# Altium PCB S7CAS-PLEIADES-CARTE-FILLE_P02.PcbDoc (part 2 of 3)
Units mil, origin at the board's own origin, x right, y up, seen from the top; angles counter-clockwise.
Board outline 3010 x 2715 mil, 10 copper layers (SIGNAL_TOP, GND, INNER_SIGNAL_3, GND (Plane2), 3V3, SPLIT_POWER, GND (Plane5), INNER_SIGNAL_8, GND (Plane6), SIGNAL_BOTTOM), stack 56.5 mil thick; 168 components, 138 nets, 887 pads, 482 vias.
Unrouted connection lines stored in the file: 10.
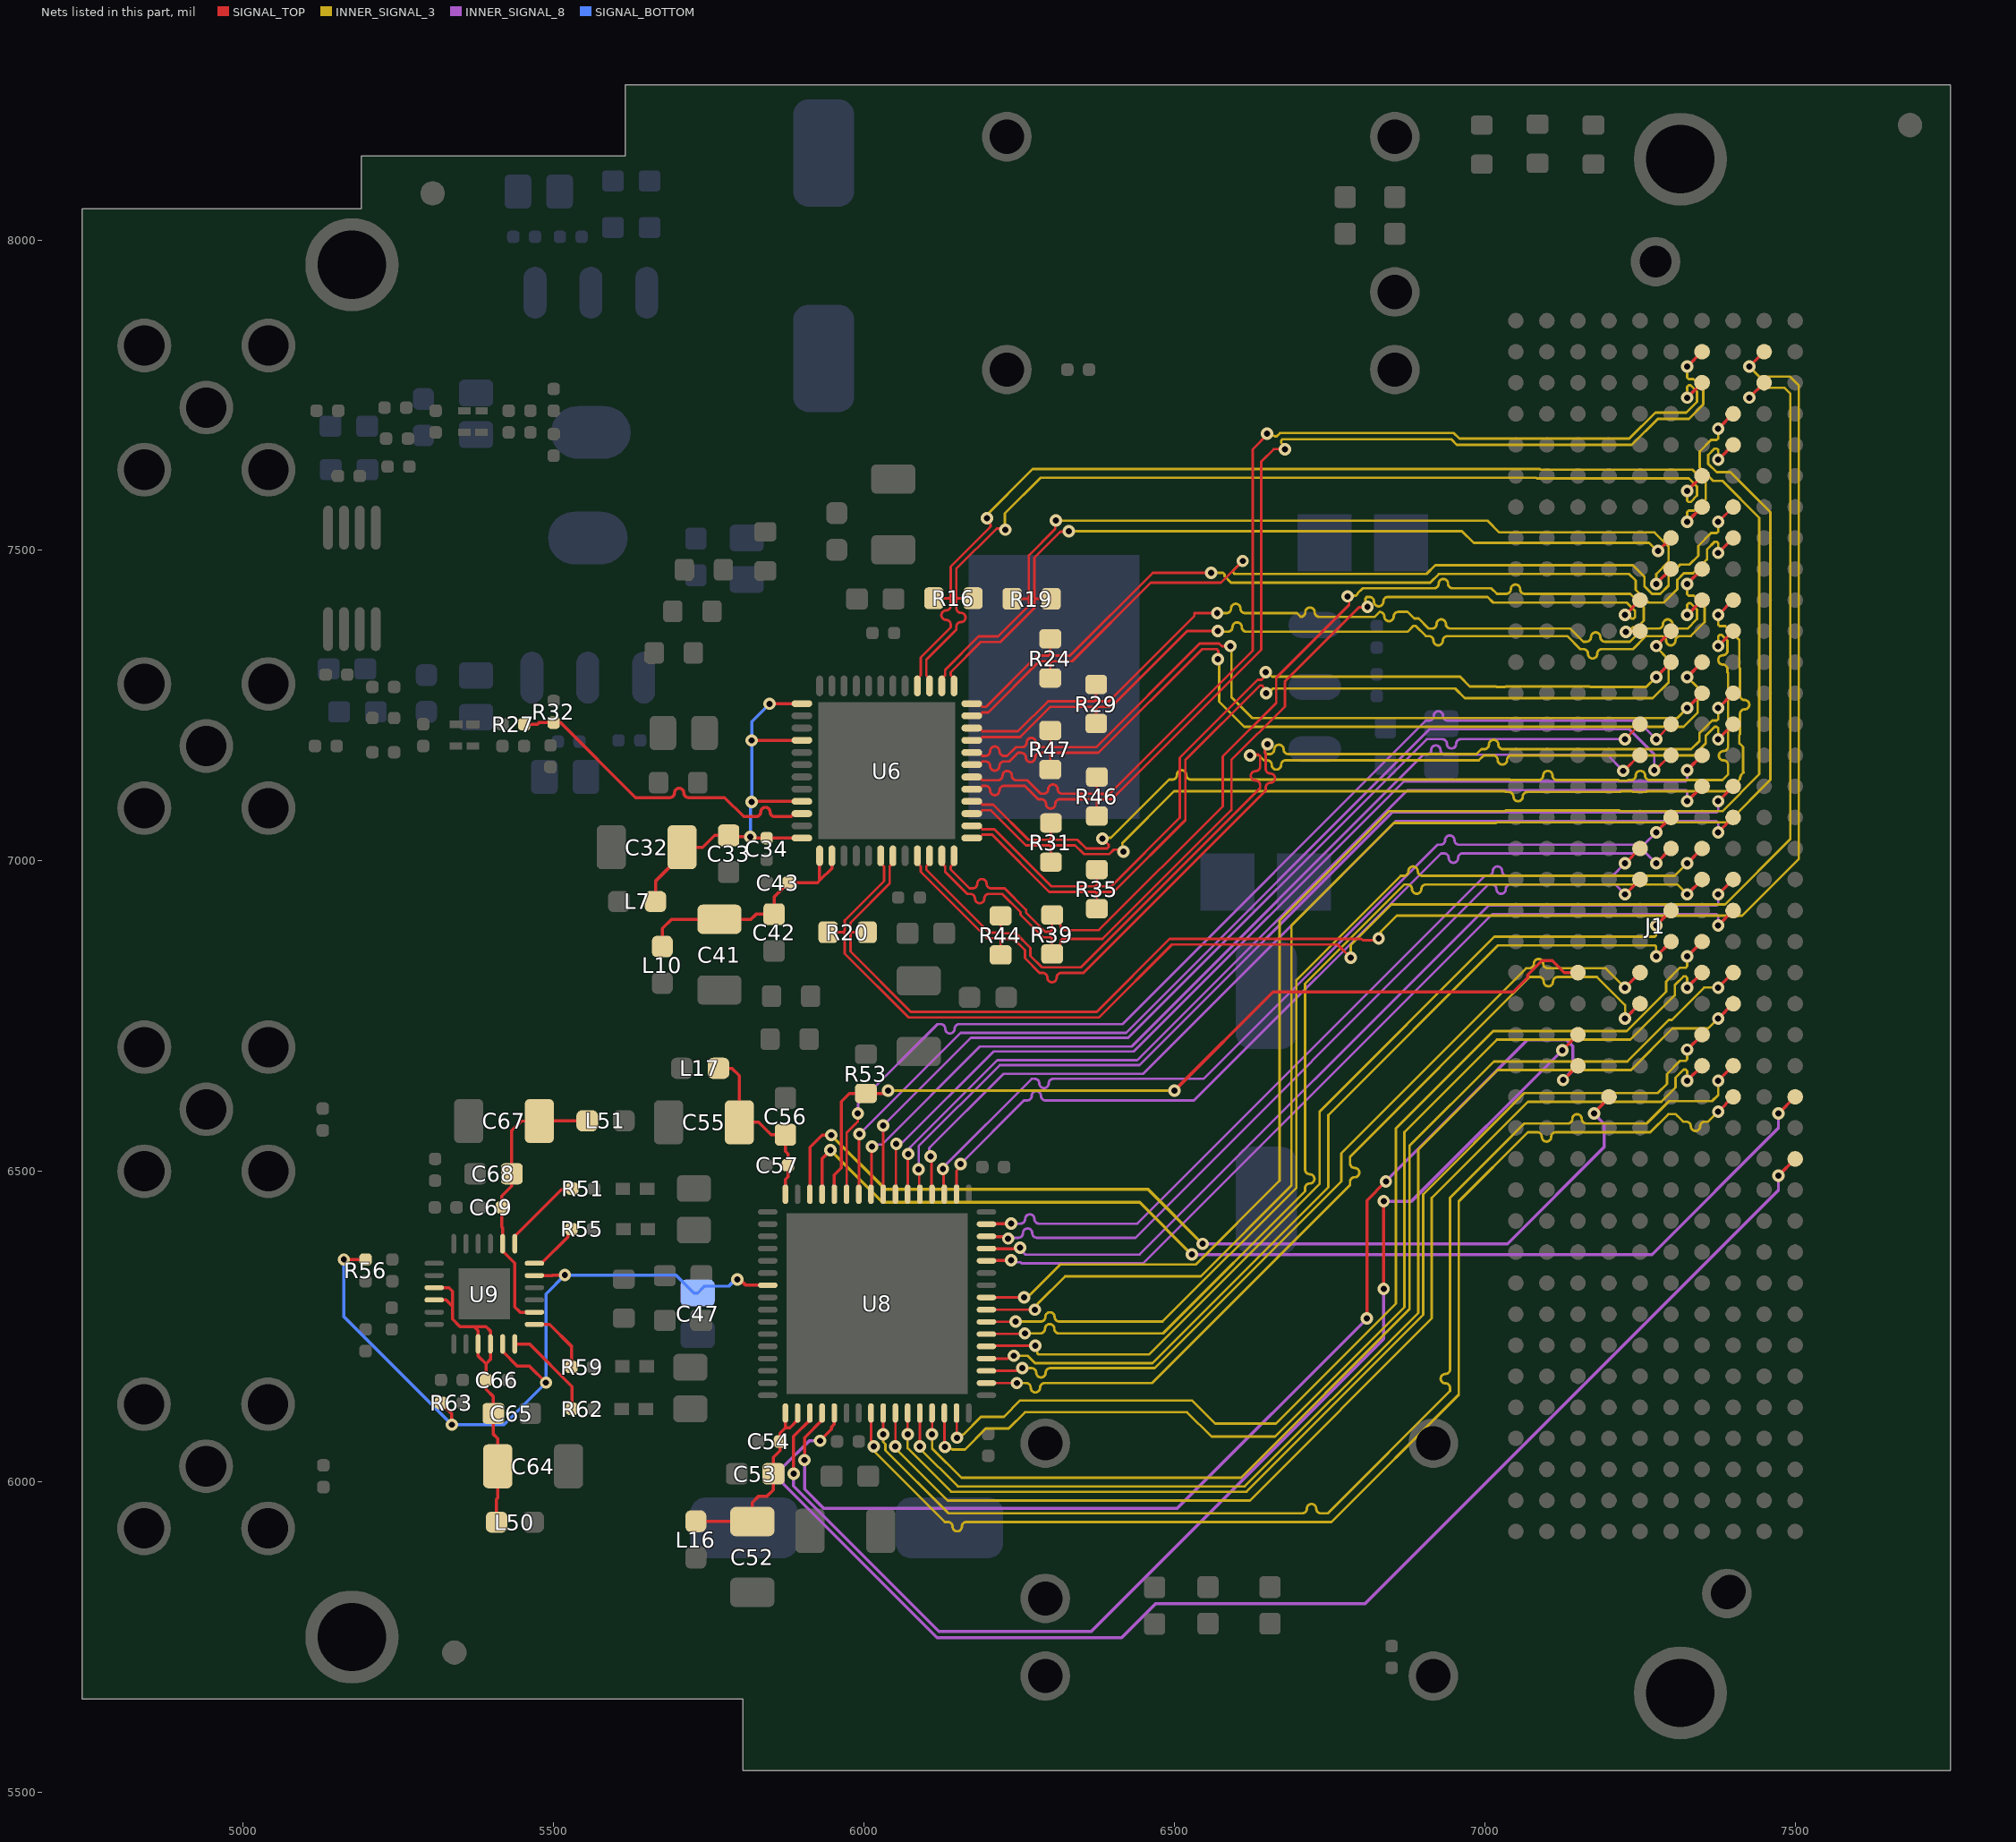
[diagram p10: the nets of this part, all layers, seen from the top]

## Via types
v1: diameter 20/20/20/20 (per signal layer), hole 10, SIGNAL_TOP to SIGNAL_BOTTOM, 426 vias
v2: diameter 19.68, hole 7.87, SIGNAL_TOP to SIGNAL_BOTTOM, 55 vias
v3: diameter 20, hole 10, SIGNAL_TOP to SIGNAL_BOTTOM, 1 vias

## Nets (pads, with @x,y where several pads share a name; then routed paths per layer and width w, separated by ;. In a path a pad name is that pad's centre, name@x,y a point inside that pad or via, vN(x,y) a via of type N, cw(c..) or ccw(c..) an arc to the next point about the centre after c; other vN are vias at no path point) (continued)
ADC_CLKOUT_N: J1.h5 U8.56 | length 2513.2
  SIGNAL_TOP w4: U8.56@6197.18,6277.16 v1(6275.1,6277.16)
  SIGNAL_TOP w5: v1(7376,7646) J1.h5@7400,7670
  INNER_SIGNAL_3 w4: v1(6275.1,6277.16) 6275.1,6281.49 6279.88,6286.27 6279.88,6287 6323.88,6331 6542.5,6331 6688.5,6477 6688.5,6896.13 6853.37,7061 7018.37,7061 7019.37,7062 7391.5,7062 7460,7130.5 7460,7561.5 7395.5,7626 7373.37,7626 7360,7639.37 7360,7653.66 7370.34,7664 7373.66,7664 7376,7661.66 v1(7376,7646)
ADC_CLKOUT_P: J1.h4 U8.57 | length 2497.1
  SIGNAL_TOP w4: U8.57@6197.18,6296.84 v1(6257.79,6296.84)
  SIGNAL_TOP w5: v1(7376,7696) J1.h4@7400,7720
  INNER_SIGNAL_3 w4: v1(6257.79,6296.84) 6262.12,6296.84 6266.9,6301.62 6267.63,6301.62 6316.01,6350 6534.63,6350 6669.5,6484.87 6669.5,6904 6845.5,7080 7032.63,7080 7033.63,7081 7217.13,7081 7218.13,7080 7382.63,7080 7442,7139.37 7442,7552.63 7382.63,7612 7367.57,7612 7346,7633.57 7346,7659.46 7364.54,7678 7373.66,7678 7376,7680.34 v1(7376,7696)
ADC_CTRL1: J1.c24 U8.35 | length 2017.1
  SIGNAL_TOP w5: v1(5886.5,6013) 5886.5,6073.37 5912.73,6099.6 U8.35@5912.73,6110.82 ; v1(6837,6310.87) v1(6837,6451.92) ; v1(7125,6695) J1.c24@7150,6720
  INNER_SIGNAL_8 w5: v1(5886.5,6013) 5886.5,5993.11 6120.61,5759 6366,5759 6837,6230 v1(6837,6310.87) ; v1(6837,6451.92) 6881.92,6451.92 v1(7125,6695)
ADC_CTRL2: J1.c25 U8.36 | length 1906.7
  SIGNAL_TOP w5: v1(5904.13,6035) 5904.13,6071.31 5932.42,6099.6 U8.36@5932.42,6110.82 ; v1(6810,6263) 6810,6453.33 6839.95,6483.28 v1@6839.95,6483.95 ; v1(7126,6647) 7126.5,6647 7149.5,6670 J1.c25@7150,6670
  INNER_SIGNAL_8 w5: v1(5904.13,6035) 5904.13,5988.21 5934.84,5957.5 6504.5,5957.5 v1(6810,6263) ; v1(6840.61,6483.95) 7068.17,6711.5 7131.83,6711.5 7141.5,6701.83 7141.5,6662.5 v1(7126,6647)
ADC_CTRL3: J1.k28 U8.37 | length 2223.7
  SIGNAL_TOP w5: v1(5929,6066) 5947.5,6084.5 5947.5,6088.04 5952.1,6092.64 U8.37@5952.1,6110.82 ; v1(7473,6493) J1.k28@7500,6520
  INNER_SIGNAL_8 w5: v1(5929,6066) 5928.7,6065.7 5911.5,6065.7 5870,6024.2 5870,5996.89 6117.89,5749 6414.98,5749 6469.98,5804 6807.33,5804 7473,6469.67 v1(7473,6493)
ADC_DA0_N: J1.h26 U8.40 | length 2022.2
  SIGNAL_TOP w4: U8.40@6011.16,6110.82 6011.16,6066.53 6015.5,6062.19 v1(6015.5,6056.84)
  SIGNAL_TOP w5: v1(7376,6596) J1.h26@7400,6620
  INNER_SIGNAL_3 w4: v1(6015.5,6056.84) 6015.5,6049.87 6130.06,5935.31 6135.06,5935.31 cw(c6135.06,5927.81) 6142.56,5927.81 ccw(c6150.06,5927.81) 6157.56,5927.81 cw(c6165.06,5927.81) 6165.06,5935.31 6752.98,5935.31 6958,6140.32 6958,6451.63 7069.37,6563 7084.37,6563 cw(c7084.37,6555.5) 7091.87,6555.5 ccw(c7099.37,6555.5) 7106.87,6555.5 cw(c7114.37,6555.5) 7114.37,6563 7266.54,6563 7295.56,6592.02 7307.66,6592.02 7310,6589.68 7310,6589.37 7319.37,6580 7324.37,6580 cw(c7324.37,6572.5) 7331.87,6572.5 ccw(c7339.37,6572.5) 7346.87,6572.5 cw(c7354.37,6572.5) 7354.37,6580 7360,6580 v1(7376,6596)
ADC_DA0_P: J1.h25 U8.41 | length 2014.9
  SIGNAL_TOP w4: v1(6030.84,6076.46) U8.41@6030.84,6110.82
  SIGNAL_TOP w5: v1(7376,6646) J1.h25@7400,6670
  INNER_SIGNAL_3 w4: v1(6030.84,6076.46) 6030.84,6064.13 6034.53,6060.44 6034.53,6050.64 6135.86,5949.31 6705.86,5949.31 ccw(c6705.86,5956.81) 6713.36,5956.81 cw(c6720.86,5956.81) 6728.36,5956.81 ccw(c6735.86,5956.81) 6735.86,5949.31 6747.18,5949.31 6944,6146.12 6944,6151.12 ccw(c6936.5,6151.12) 6936.5,6158.62 cw(c6936.5,6166.12) 6936.5,6173.62 ccw(c6936.5,6181.12) 6944,6181.12 6944,6457.43 7063.57,6577 7133.57,6577 ccw(c7133.57,6584.5) 7141.07,6584.5 cw(c7148.57,6584.5) 7156.07,6584.5 ccw(c7163.57,6584.5) 7163.57,6577 7260.74,6577 7296.74,6613 7366,6613 7376,6623 v1(7376,6646)
ADC_DA2_N: J1.g25 U8.42 | length 1828.2
  SIGNAL_TOP w4: v1(6050.53,6057.27) U8.42@6050.53,6110.82
  SIGNAL_TOP w5: v1(7326,6646) J1.g25@7350,6670
  INNER_SIGNAL_3 w4: v1(6050.53,6057.27) 6050.53,6054.21 6134.74,5970 6621.65,5970 6914.61,6262.96 6914.61,6457.24 7069.37,6612 7284.43,6612 7307.33,6634.91 7307.33,6650.99 7320.34,6664 7323.66,6664 7326,6661.66 v1(7326,6646)
ADC_DA2_P: J1.g24 U8.43 | length 1802.7
  SIGNAL_TOP w4: v1(6070.21,6076.46) U8.43@6070.21,6110.82
  SIGNAL_TOP w5: v1(7326,6696) J1.g24@7350,6720
  INNER_SIGNAL_3 w4: v1(6070.21,6076.46) 6070.21,6054.33 6140.54,5984 6615.85,5984 6900.61,6268.76 6900.61,6463.04 7063.57,6626 7278.63,6626 7293.33,6640.71 7293.33,6656.79 7314.54,6678 7323.66,6678 7326,6680.34 v1(7326,6696)
ADC_DA4_N: J1.h23 U8.44 | length 1868.7
  SIGNAL_TOP w4: v1(6089.9,6057.27) U8.44@6089.9,6110.82
  SIGNAL_TOP w5: v1(7376,6746) J1.h23@7400,6770
  INNER_SIGNAL_3 w4: v1(6089.9,6057.27) 6089.9,6053.68 6150.94,5992.63 6613.17,5992.63 6892.61,6272.07 6892.61,6535.24 7020.37,6663 7235.43,6663 7302.43,6730 7360,6730 v1(7376,6746)
ADC_DA4_P: J1.h22 U8.45 | length 1858
  SIGNAL_TOP w4: v1(6109.58,6076.46) U8.45@6109.58,6110.82
  SIGNAL_TOP w5: v1(7376,6796) J1.h22@7400,6820
  INNER_SIGNAL_3 w4: v1(6109.58,6076.46) 6109.58,6053.79 6156.74,6006.63 6607.37,6006.63 6878.61,6277.87 6878.61,6541.04 7014.57,6677 7229.63,6677 7296.63,6744 7301.37,6744 7353.37,6796 v1(7376,6796)
ADC_DA6_N: J1.g22 U8.46 | length 1826.2
  SIGNAL_TOP w4: U8.46@6129.27,6110.82 6129.63,6110.45 6129.63,6056.37 v1(6130,6056)
  SIGNAL_TOP w5: v1(7326,6796) J1.g22@7350,6820
  INNER_SIGNAL_3 w4: v1(6130,6056) 6133.06,6052.94 6141.13,6052.94 6142.07,6052 6162.5,6052 6196.23,6085.73 6233.03,6085.73 6259.31,6112 6520.45,6112 6559.73,6072.72 6662.15,6072.72 6870.61,6281.19 6870.61,6563.24 7019.37,6712 7234.43,6712 7306,6783.57 7306,6799.66 7320.34,6814 7323.66,6814 7326,6811.66 v1(7326,6796)
ADC_DA6_P: J1.g21 U8.47 | length 1785.8
  SIGNAL_TOP w4: U8.47@6148.95,6110.82 6149.45,6110.33 6149.45,6071.49 v1(6149.94,6071)
  SIGNAL_TOP w5: v1(7326,6846) J1.g21@7350,6870
  INNER_SIGNAL_3 w4: v1(6149.94,6071) 6154.27,6071 6159.24,6075.97 6159.6,6075.97 6188.36,6104.73 6225.16,6104.73 6251.44,6131 6528.32,6131 6565.43,6093.89 6663.52,6093.89 6665.68,6096.06 6856.61,6286.99 6856.61,6569.04 7013.57,6726 7228.63,6726 7292,6789.37 7292,6805.46 7314.54,6828 7323.66,6828 7326,6830.34 v1(7326,6846)
ADC_DA8_N: J1.e23 U8.50 | length 1452.1
  SIGNAL_TOP w4: U8.50@6197.18,6159.05 v1(6246,6159)
  SIGNAL_TOP w5: v1(7226,6746) J1.e23@7250,6770
  INNER_SIGNAL_3 w4: v1(6246,6159) 6261,6159 cw(c6261,6151.5) 6268.5,6151.5 ccw(c6276,6151.5) 6283.5,6151.5 cw(c6291,6151.5) 6291,6159 6463.84,6159 6782.84,6478 6782.84,6483 cw(c6790.34,6483) 6790.34,6490.5 ccw(c6790.34,6498) 6790.34,6505.5 cw(c6790.34,6513) 6782.84,6513 6782.84,6523.46 7072.37,6813 7087.37,6813 cw(c7087.37,6805.5) 7094.87,6805.5 ccw(c7102.37,6805.5) 7109.87,6805.5 cw(c7117.37,6805.5) 7117.37,6813 7180.63,6813 7226,6767.63 v1(7226,6746)
ADC_DA8_P: J1.e22 U8.51 | length 1405
  SIGNAL_TOP w4: U8.51@6197.18,6178.73 6246.34,6178.73 6250.61,6183 v1(6254.94,6183)
  SIGNAL_TOP w5: v1(7226,6796) J1.e22@7250,6820
  INNER_SIGNAL_3 w4: v1(6254.94,6183) 6269.94,6183 cw(c6269.94,6175.5) 6277.44,6175.5 ccw(c6284.94,6175.5) 6292.44,6175.5 cw(c6299.94,6175.5) 6299.94,6183 6468.04,6183 6768.84,6483.8 6768.84,6529.26 7066.57,6827 7071.57,6827 ccw(c7071.57,6834.5) 7079.07,6834.5 cw(c7086.57,6834.5) 7094.07,6834.5 ccw(c7101.57,6834.5) 7101.57,6827 7195,6827 v1(7226,6796)
ADC_DA10_N: J1.f21 U8.52 | length 1483.2
  SIGNAL_TOP w4: U8.52@6197.18,6198.42 6232.09,6198.42 6236.67,6203 v1(6241,6203)
  SIGNAL_TOP w5: v1(7276,6846) J1.f21@7300,6870
  INNER_SIGNAL_3 w4: v1(6241,6203) 6263.51,6203 6275.51,6191 6464.72,6191 6748,6474.27 6748,6590.62 7021.37,6864 7273.66,6864 7276,6861.66 v1(7276,6846)
ADC_DA10_P: J1.f20 U8.53 | length 1487.6
  SIGNAL_TOP w4: U8.53@6197.18,6218.1 6198.08,6219 v1(6276,6219)
  SIGNAL_TOP w5: v1(7276,6896) J1.f20@7300,6920
  INNER_SIGNAL_3 w4: v1(6276,6219) 6278.97,6216.03 6278.97,6207.34 6281.31,6205 6458.92,6205 6734,6480.07 6734,6596.42 7015.57,6878 7273.66,6878 7276,6880.34 v1(7276,6896)
ADC_DA12_N: J1.g19 U8.54 | length 1716.6
  SIGNAL_TOP w4: U8.54@6197.18,6237.79 6197.79,6238.39 6258.39,6238.39 v1(6259,6239)
  SIGNAL_TOP w5: v1(7326,6946) J1.g19@7350,6970
  INNER_SIGNAL_3 w4: v1(6259,6239) 6284,6239 ccw(c6284,6246.5) 6291.5,6246.5 cw(c6299,6246.5) 6306.5,6246.5 ccw(c6314,6246.5) 6314,6239 6481.61,6239 6710.5,6467.89 6710.5,6472.89 cw(c6718,6472.89) 6718,6480.39 ccw(c6718,6487.89) 6718,6495.39 cw(c6718,6502.89) 6710.5,6502.89 6710.5,6802.26 6870.24,6962 6875.24,6962 cw(c6875.24,6954.5) 6882.74,6954.5 ccw(c6890.24,6954.5) 6897.74,6954.5 cw(c6905.24,6954.5) 6905.24,6962 7310,6962 v1(7326,6946)
ADC_DA12_P: J1.g18 U8.55 | length 1697.9
  SIGNAL_TOP w4: U8.55@6197.18,6257.47 6197.44,6257.74 v1@6243.74,6257.74
  SIGNAL_TOP w5: v1(7326,6996) J1.g18@7350,7020
  INNER_SIGNAL_3 w4: v1@6244.53,6258 6284.53,6258 ccw(c6284.53,6265.5) 6292.03,6265.5 cw(c6299.53,6265.5) 6307.03,6265.5 ccw(c6314.53,6265.5) 6314.53,6258 6480.81,6258 6696.5,6473.69 6696.5,6808.06 6864.44,6976 6869.44,6976 ccw(c6869.44,6983.5) 6876.94,6983.5 cw(c6884.44,6983.5) 6891.94,6983.5 ccw(c6899.44,6983.5) 6899.44,6976 7306,6976 v1(7326,6996)
  other v1: 6244,6258
ADC_DB0_N: J1.h20 U8.60 | length 1463.3
  SIGNAL_TOP w5: U8.60@6197.57,6356.29 v1@6236.61,6356.29 ; v1(7376,6896) J1.h20@7400,6920
  INNER_SIGNAL_8 w4: v1(6237,6356.69) 6240.06,6353.62 6252.28,6353.62 6253.91,6352 6449.65,6352 7011.65,6914 7373.66,6914 7376,6911.66 v1(7376,6896)
ADC_DB0_P: J1.h19 U8.61 | length 1467.5
  SIGNAL_TOP w5: U8.61@6198.31,6375.24 6250.66,6375.24 v1@6251.39,6375.98 ; v1(7376,6946) J1.h19@7400,6970
  INNER_SIGNAL_8 w4: v1(6251.39,6377) 6251.39,6374.31 6259.71,6366 6443.85,6366 7005.85,6928 7373.66,6928 7376,6930.34 v1(7376,6946)
ADC_DB2_N: J1.e19 U8.62 | length 1353.9
  SIGNAL_TOP w4: U8.62@6197.18,6395.27 U8.62@6207.93,6395.27
  SIGNAL_TOP w5: U8.62@6197.57,6395.66 6198.74,6394.49 v1@6235.44,6394.49 ; v1(7226,6946) J1.e19@7250,6970
  INNER_SIGNAL_8 w4: v1(6232.19,6391.74) 6233.45,6393 6248.45,6393 ccw(c6248.45,6400.5) 6255.95,6400.5 cw(c6263.45,6400.5) 6270.95,6400.5 ccw(c6278.45,6400.5) 6278.45,6393 6437.23,6393 7006.23,6962 7011.23,6962 cw(c7011.23,6954.5) 7018.73,6954.5 ccw(c7026.23,6954.5) 7033.73,6954.5 cw(c7041.23,6954.5) 7041.23,6962 7210,6962 v1(7226,6946)
ADC_DB2_P: J1.e18 U8.63 | length 1347.7
  SIGNAL_TOP w4: U8.63@6197.18,6414.95 U8.63@6207.93,6414.95
  SIGNAL_TOP w5: U8.63@6197.57,6415.35 v1@6237,6415.35 ; v1(7226,6996) J1.e18@7250,7020
  INNER_SIGNAL_8 w4: v1(6237,6415.74) 6252,6415.74 ccw(c6252,6423.24) 6259.5,6423.24 cw(c6267,6423.24) 6274.5,6423.24 ccw(c6282,6423.24) 6282,6415.74 6440.17,6415.74 7000.43,6976 7005.43,6976 ccw(c7005.43,6983.5) 7012.93,6983.5 cw(c7020.43,6983.5) 7027.93,6983.5 ccw(c7035.43,6983.5) 7035.43,6976 7206,6976 v1(7226,6996)
ADC_DB4_N: J1.f18 U8.2 | length 1453.9
  SIGNAL_TOP w4: U8.2@6148.95,6463.18 6148.95,6501.08 6155.54,6507.67 v1(6155.54,6512)
  SIGNAL_TOP w5: v1(7276,6996) J1.f18@7300,7020
  INNER_SIGNAL_8 w4: v1(6155.54,6512) 6257.54,6614 6262.54,6614 ccw(c6262.54,6621.5) 6270.04,6621.5 cw(c6277.54,6621.5) 6285.04,6621.5 ccw(c6292.54,6621.5) 6292.54,6614 6531.37,6614 6929.37,7012 6934.37,7012 cw(c6934.37,7004.5) 6941.87,7004.5 ccw(c6949.37,7004.5) 6956.87,7004.5 cw(c6964.37,7004.5) 6964.37,7012 7260,7012 v1(7276,6996)
ADC_DB4_P: J1.f17 U8.3 | length 1484.7
  SIGNAL_TOP w4: v1(6127,6504) 6128.3,6502.7 6128.3,6464.15 U8.3@6129.27,6463.18
  SIGNAL_TOP w5: v1(7276,7046) J1.f17@7300,7070
  INNER_SIGNAL_8 w4: v1(6127,6504) 6127,6506.08 6269.92,6649 6274.92,6649 cw(c6274.92,6641.5) 6282.42,6641.5 ccw(c6289.92,6641.5) 6297.42,6641.5 cw(c6304.92,6641.5) 6304.92,6649 6546.57,6649 6923.57,7026 6928.57,7026 ccw(c6928.57,7033.5) 6936.07,7033.5 cw(c6943.57,7033.5) 6951.07,7033.5 ccw(c6958.57,7033.5) 6958.57,7026 7256,7026 v1(7276,7046)
ADC_DB6_N: J1.h17 U8.4 | length 1615.8
  SIGNAL_TOP w4: v1(6107,6524) 6108.62,6522.38 6108.62,6464.15 U8.4@6109.58,6463.18
  SIGNAL_TOP w5: v1(7376,7046) J1.h17@7400,7070
  INNER_SIGNAL_8 w4: v1(6107,6524) 6105.1,6525.9 6105.1,6537.66 6224.44,6657 6449.37,6657 6856.37,7064 7373.66,7064 7376,7061.66 v1(7376,7046)
ADC_DB6_P: J1.h16 U8.5 | length 1639.2
  SIGNAL_TOP w4: v1(6088,6503) 6088.95,6502.05 6088.95,6464.13 U8.5@6089.9,6463.18
  SIGNAL_TOP w5: v1(7376,7096) J1.h16@7400,7120
  INNER_SIGNAL_8 w4: v1(6088,6503) 6088,6540.36 6218.64,6671 6443.57,6671 6850.57,7078 7373.66,7078 7376,7080.34 v1(7376,7096)
ADC_DB8_N: J1.g16 U8.6 | length 1617.9
  SIGNAL_TOP w4: U8.6@6070.21,6463.18 6070.64,6463.61 6070.64,6527.54 v1(6071.08,6527.97)
  SIGNAL_TOP w5: v1(7326,7096) J1.g16@7350,7120
  INNER_SIGNAL_8 w4: v1(6071.08,6527.97) 6074.14,6531.03 6074.14,6538.69 6214.45,6679 6440.26,6679 6875.26,7114 7323.66,7114 7326,7111.66 v1(7326,7096)
ADC_DB8_P: J1.g15 U8.7 | length 1647.9
  SIGNAL_TOP w4: U8.7@6050.53,6463.18 6051.26,6463.92 6051.26,6543.26 v1(6052,6544)
  SIGNAL_TOP w5: v1(7326,7146) J1.g15@7350,7170
  INNER_SIGNAL_8 w4: v1(6052,6544) 6055.06,6547.06 6062.71,6547.06 6208.65,6693 6434.46,6693 6869.46,7128 7323.66,7128 7326,7130.34 v1(7326,7146)
ADC_DB10_N: J1.e14 U8.8 | length 1614.6
  SIGNAL_TOP w4: U8.8@6030.84,6463.18 v1(6030.84,6573.84) ; v1(7226,7196) J1.e14@7250,7220
  INNER_SIGNAL_8 w4: v1(6030.84,6573.84) 6172,6715 6425.35,6715 6906.35,7196 6931.35,7196 cw(c6931.35,7188.5) 6938.85,7188.5 ccw(c6946.35,7188.5) 6953.85,7188.5 cw(c6961.35,7188.5) 6961.35,7196 v1(7226,7196)
ADC_DB10_P: J1.e15 U8.9 | length 1614.2
  SIGNAL_TOP w4: U8.9@6011.16,6463.18 6012.08,6464.1 6012.08,6539.08 v1(6013,6540) ; v1(7223,7145) 7224,7145 7249,7170 J1.e15@7250,7170
  INNER_SIGNAL_8 w4: v1(6013,6540) 6016.06,6543.06 6028.43,6543.06 6186.37,6701 6431.15,6701 6901.15,7171 6906.15,7171 ccw(c6906.15,7178.5) 6913.65,7178.5 cw(c6921.15,7178.5) 6928.65,7178.5 ccw(c6936.15,7178.5) 6936.15,7171 7197,7171 v1(7223,7145)
ADC_DB12_N: J1.f15 U8.10 | length 1727.2
  SIGNAL_TOP w4: U8.10@5991.47,6463.18 5991.93,6463.64 5991.93,6559.54 v1(5992.4,6560) ; v1(7273,7146) 7274.5,7146 7298.5,7170 J1.f15@7300,7170
  INNER_SIGNAL_8 w4: v1(5992.4,6560) 6155.4,6723 6422.03,6723 6911.03,7212 7232.63,7212 7273,7171.63 v1(7273,7146)
ADC_DB12_P: J1.f14 U8.11 | length 1775.5
  SIGNAL_TOP w4: U8.11@5971.79,6463.18 5972,6463.39 5972,6562 5976.4,6566.4 5976.4,6566.63 5985.77,6576 5986,6576 5990,6580 v1(5990,6593) ; v1(7276,7196) J1.f14@7300,7220
  INNER_SIGNAL_8 w4: v1(5990,6593) 5990.37,6593.37 5990.37,6609 6118.37,6737 6123.37,6737 cw(c6123.37,6729.5) 6130.87,6729.5 ccw(c6138.37,6729.5) 6145.87,6729.5 cw(c6153.37,6729.5) 6153.37,6737 6416.24,6737 6905.24,7226 6910.24,7226 ccw(c6910.24,7233.5) 6917.74,7233.5 cw(c6925.24,7233.5) 6932.74,7233.5 ccw(c6940.24,7233.5) 6940.24,7226 7246,7226 v1(7276,7196)
ADC_IN1_N: R51.2 U9.19 | length 136.2
  SIGNAL_TOP w5: U9.19@5437.43,6383.42 5437.43,6395.23 5512.5,6470.3 5528.3,6470.3 R51.2@5530,6472
ADC_IN1_P: R55.2 U9.18 | length 86.7
  SIGNAL_TOP w5: U9.18@5468.92,6351.92 5480.73,6351.92 5523.16,6394.35 5523.16,6401.66 R55.2@5528.5,6407
ADC_IN2_N: R59.2 U9.13 | length 107.7
  SIGNAL_TOP w5: U9.13@5468.92,6253.5 5493.5,6253.5 5528.5,6218.5 R59.2@5528.5,6184.89
ADC_IN2_P: R62.2 U9.12 | length 156.6
  SIGNAL_TOP w5: U9.12@5437.43,6222 5461,6222 5529.5,6153.5 R62.2@5529.5,6117.39
ADC_RESET: J1.c22 R53.2 U8.12 | length 1444.7
  SIGNAL_TOP w5: U8.12@5952.1,6463.18 5952.1,6494.18 5963.5,6505.58 5963.5,6612.5 5976.5,6625.5 R53.2@6003,6625.5 6034.5,6625.5 v1(6039,6630) ; v1(6500,6630) 6659.1,6789.1 7046.11,6789.1 7069.1,6812.09 7069.1,6816.11 7092.09,6839.1 7108.76,6839.1 7127.86,6820 J1.c22@7150,6820
  INNER_SIGNAL_3 w5: v1(6039,6630) v1(6500,6630)
ADC_SCLK: J1.k26 U8.13 | length 1818.9
  SIGNAL_TOP w5: U8.13@5932.42,6463.18 5932.42,6520.42 v1(5946,6534) ; v1(7473,6593) J1.k26@7500,6620
  INNER_SIGNAL_3 w5: v1(5946,6534) 6030,6450 6444,6450 v1(6528,6366)
  INNER_SIGNAL_8 w5: v1(6528,6366) 7269.33,6366 7473,6569.67 v1(7473,6593)
ADC_SDATA: J1.d26 U8.14 | length 1598
  SIGNAL_TOP w5: U8.14@5912.73,6463.18 5912.73,6538.73 5932.33,6558.33 v1(5947,6558.33) ; v1(7176,6593) 7176,6594.5 7200,6618.5 J1.d26@7200,6620
  INNER_SIGNAL_3 w5: v1(5947,6558.33) 6034.56,6470.77 6457.64,6470.77 v1(6545.21,6383.21)
  INNER_SIGNAL_8 w5: v1@6545.41,6383.21 7036.54,6383.21 7192.5,6539.17 7192.5,6576.5 v1(7176,6593)
ADC_VCM: C47.2 R56.2 R63.2 U8.23 U9.11 U9.17 | length 1284.9
  SIGNAL_TOP w5: v1(5162,6358) R56.2@5197,6358 ; R63.2@5318.5,6127 5336,6109.5 v1(5336,6092) ; U9.11@5417.74,6222 5417.74,6210.19 5441.83,6186.1 5461.29,6186.1 v1(5487.69,6159.69) ; U9.17@5468.92,6332.24 5498,6332.24 5498.76,6333 v1(5518,6333) ; v1(5796,6326) 5800.06,6326 5809.53,6316.53 U8.23@5844.82,6316.53
  SIGNAL_BOTTOM w5: v1(5162,6358) 5162,6266 v1(5336,6092) 5420,6092 v1(5487.69,6159.69) 5487.69,6302.69 v1(5518,6333) 5697,6333 5726,6304 C47.2@5732,6304 5743.05,6315.05 5782.21,6315.05 5793.16,6326 v1(5796,6326)
AVDD33: C32.2 C33.2 C34.2 C52.2 C53.2 C54.2 C55.2 C56.2 C57.2 C64.2 C65.2 C66.2 C67.2 C68.2 C69.2 L7.2 L16.2 L17.2 L50.2 L51.2 U6.37 U6.40 U6.45 U6.48 U8.16 U8.33 U8.34 U9.3 U9.4 U9.9 U9.10 U9.14 U9.20 | length 2406
  SIGNAL_TOP w5: U9.4@5307.5,6292.87 5326.63,6292.87 5337,6282.5 ; U9.3@5307.5,6312.55 5331.45,6312.55 5337,6307 5337,6282.5 ; L50.2@5408,5935 5408,5972 5410,5974 C64.2@5410,6025 5410,6069.46 5403,6076.46 C65.2@5403,6110 5403,6137 5391,6149 C66.2@5391,6164 5391,6190 ; U9.14@5468.92,6273.18 5445.82,6273.18 5437.43,6281.57 5437.43,6351.92 5417.74,6371.61 U9.20@5417.74,6383.42 5417.74,6409 5416.5,6410.24 C69.2@5416.5,6441.93 5416.5,6460 5432.5,6476 C68.2@5432.5,6496 5432.5,6565.5 5448,6581 C67.2@5477,6581 5477.36,6581.36 L51.2@5554,6581.36 ; L7.2@5664,6934.46 5664,6967.31 5706.69,7010 C32.2@5706.69,7022 5740.27,7022 5759.27,7041 C33.2@5782,7041 5784.11,7038.89 v1(5816.85,7038.89) 5819,7036.73 C34.2@5843.12,7036.73 U6.48@5899.88,7036.73 ; L16.2@5729,5936.5 5819.5,5936.5 C52.2@5820,5936 5820,5966.58 5830.42,5977 5844,5977 5854,5987 C53.2@5854,6013 5854,6039.5 5864.5,6050 C54.2@5864.5,6065 5864.5,6078.14 5873.36,6087 ; L17.2@5765.5,6666 5787,6666 5799,6654 C55.2@5799,6579 5830,6579 5850,6559 C56.2@5873.36,6559 5873.36,6532.14 5877.5,6528 C57.2@5877.5,6510 5877.5,6491 5873.36,6486.86 U8.16@5873.36,6463.18 ; v1(5819,7095) 5819.79,7095.79 U6.45@5899.88,7095.79 ; v1(5819,7194) 5819.21,7194.21 U6.40@5899.88,7194.21 ; v1(5848,7253) 5848.27,7253.27 U6.37@5899.88,7253.27 ; U8.33@5873.36,6110.82 5873.36,6087 ; U8.34@5893.05,6110.82 5893.05,6099.6 5880.45,6087 5873.36,6087 ; 5337,6282.5 5337,6262.05 5349.05,6250 5372,6250 ; 5372,6250 5378.37,6243.63 U9.9@5378.37,6222 5378.37,6202.63 5391,6190 ; 5372,6250 5391,6250 5398.06,6242.94 U9.10@5398.06,6222 5398.06,6197.06 5391,6190
  SIGNAL_BOTTOM w5: v1(5816.85,7038.89) 5816.85,7092.85 v1(5819,7095) v1(5819,7194) 5819,7224 v1(5848,7253)
CVDD18: C41.2 C42.2 C43.2 L10.2 U6.1 U6.2 | length 418
  SIGNAL_TOP w5: L10.2@5675,6862 5675,6891 5690,6906 C41.2@5767,6906 5818.09,6906 5826.09,6914 C42.2@5855,6914 5855,6941.5 C43.2@5878.5,6965 5925,6965 5928.99,6968.99 ; U6.1@5928.43,7008.19 5928.43,6969.55 5928.99,6968.99 ; U6.2@5948.11,7008.19 5948.11,6988.11 5928.99,6968.99
DAC_CLK_N: J1.j2 R20.1 U6.7 | length 2774.1
  SIGNAL_TOP w4: R20.1@6005,6885 5980.34,6885 ; U6.7@6046.54,7008.19 6046.54,6996.46 6041.19,6991.11 6041.19,6963.62 5978,6900.42 5978,6887.34 5980.34,6885 ; v1(6829,6875.13) 6825.94,6872.07 6803.23,6872.07 6801.01,6874.29 6492.25,6874.29 6374.96,6757 6075.2,6757 5978,6854.2 5978,6882.66 5980.34,6885
  SIGNAL_TOP w5: v1(7426,7796) J1.j2@7450,7820
  INNER_SIGNAL_3 w4: v1(6829,6875.13) 6832.06,6878.19 6832.06,6885.63 6858.43,6912 7414.63,6912 7505.93,7003.3 7505.93,7765.57 7491.5,7780 7442,7780 v1(7426,7796)
DAC_CLK_P: J1.j3 R20.2 U6.6 | length 2754.9
  SIGNAL_TOP w4: R20.2@5942,6885 5966.66,6885 ; U6.6@6026.85,7008.19 6026.85,6996.46 6032.19,6991.11 6032.19,6967.35 5969,6904.15 5969,6887.34 5966.66,6885 ; v1(6784,6844) 6762.71,6865.29 6495.98,6865.29 6378.69,6748 6071.47,6748 5969,6850.47 5969,6882.66 5966.66,6885
  SIGNAL_TOP w5: v1(7426,7746) J1.j3@7450,7770
  INNER_SIGNAL_3 w4: v1(6784,6844) 6784,6864.44 6849.56,6930 7387.37,6930 7492,7034.63 7492,7752.63 7482.63,7762 7442,7762 v1(7426,7746)
DAC_D0_N: J1.g7 R16.1 U6.28 | length 1690.3
  SIGNAL_TOP w4: U6.28@6085.91,7281.81 6085.91,7293.54 6091.25,7298.89 6091.25,7327.51 6139.5,7375.76 6139.5,7380.76 ccw(c6132,7380.76) 6132,7388.26 cw(c6132,7395.76) 6132,7403.26 ccw(c6132,7410.76) 6139.5,7410.76 6139.5,7420.66 6137.16,7423 ; R16.1@6112.5,7423 6137.16,7423 ; v1(6198.05,7552) 6198.05,7547.67 6203.98,7541.75 6203.98,7538.34 6139.5,7473.87 6139.5,7425.34 6137.16,7423
  SIGNAL_TOP w5: v1(7326,7546) J1.g7@7350,7570
  INNER_SIGNAL_3 w4: v1(6198.05,7552) 6192.63,7552 6271.63,7631 7088.43,7631 7089.43,7630 7334.43,7630 7356,7608.43 7356,7582.54 7337.46,7564 7328.34,7564 7326,7561.66 v1(7326,7546)
DAC_D0_P: J1.g6 R16.2 U6.27 | length 1627.7
  SIGNAL_TOP w4: U6.27@6105.59,7281.81 6105.59,7293.54 6100.25,7298.89 6100.25,7323.78 6148.5,7372.03 6148.5,7377.03 cw(c6156,7377.03) 6156,7384.53 ccw(c6156,7392.03) 6156,7399.53 cw(c6156,7407.03) 6148.5,7407.03 6148.5,7420.66 6150.84,7423 ; R16.2@6182.95,7430.45 R16.2@6175.5,7423 6150.84,7423 ; v1(6227.36,7533.36) 6225.38,7535.35 6213.71,7535.35 6148.5,7470.14 6148.5,7425.34 6150.84,7423
  SIGNAL_TOP w5: v1(7326,7596) J1.g6@7350,7620
  INNER_SIGNAL_3 w4: v1(6227.36,7533.36) 6227,7533.73 6227,7559.5 6284.5,7617 7082.63,7617 7083.63,7616 7328.63,7616 7342,7602.63 7342,7588.34 7331.66,7578 7328.34,7578 7326,7580.34 v1(7326,7596)
DAC_D1_N: J1.f9 R19.1 U6.26 | length 1504.7
  SIGNAL_TOP w4: U6.26@6125.28,7281.81 6125.28,7293.54 6130.62,7298.89 6130.62,7307.7 6184.39,7361.47 6215.91,7361.47 6265.5,7411.06 6265.5,7419.66 6263.16,7422 ; R19.1@6245.95,7429.45 R19.1@6238.5,7422 6263.16,7422 ; v1(6309,7548) 6308,7547 6308,7534.37 6265.5,7491.86 6265.5,7424.34 6263.16,7422
  SIGNAL_TOP w5: v1(7276,7446) J1.f9@7300,7470
  INNER_SIGNAL_3 w4: v1(6309,7548) 7004.12,7548 7023.12,7529 7273.34,7529 7296,7506.34 7296,7481.66 7276.34,7462 7276.34,7446.34 v1(7276,7446)
DAC_D1_P: J1.f8 R19.2 U6.25 | length 1388.8
  SIGNAL_TOP w4: U6.25@6144.96,7281.81 6144.96,7293.54 6139.62,7298.89 6139.62,7303.97 6188.12,7352.47 6219.64,7352.47 6274.5,7407.33 6274.5,7419.66 6276.84,7422 ; R19.2@6308.95,7429.45 R19.2@6301.5,7422 6276.84,7422 ; v1(6330,7531) 6329,7530 6316.37,7530 6274.5,7488.14 6274.5,7424.34 6276.84,7422
  SIGNAL_TOP w5: v1(7279,7499) J1.f8@7300,7520
  INNER_SIGNAL_3 w4: v1(6330,7531) 6963,7531 6982,7512 7264.5,7512 v1@7277.5,7499 ; v1@7277.5,7499 v1(7279,7499) 7277.5,7497.5 v1@7277.5,7499
DAC_D2_N: J1.h8 R24.1 U6.24 | length 1472.3
  SIGNAL_TOP w4: U6.24@6173.5,7253.27 6185.24,7253.27 6190.58,7247.93 6196.24,7247.93 6278.81,7330.5 6297.66,7330.5 6300,7332.84 ; R24.1@6300,7357.5 6300,7332.84 ; v1(6559,7464) 6465.14,7464 6331.64,7330.5 6302.34,7330.5 6300,7332.84
  SIGNAL_TOP w5: v1(7376,7496) J1.h8@7400,7520
  INNER_SIGNAL_3 w4: v1(6559,7464) 6578.33,7464 6580.67,7461.66 6580.67,7458.56 6591.22,7448.02 6911.93,7448.02 6925.91,7462 7232.63,7462 7243.15,7451.48 7243.15,7436.42 7263.57,7416 7288.43,7416 7310,7437.57 7310,7452.63 7320.52,7463.15 7335.58,7463.15 7357.91,7485.48 7357.91,7501.57 7370.34,7514 7373.66,7514 7376,7511.66 v1(7376,7496)
DAC_D2_P: J1.h7 R24.2 U6.23 | length 1516.8
  SIGNAL_TOP w4: U6.23@6173.5,7233.58 6185.24,7233.58 6190.58,7238.93 6199.96,7238.93 6282.54,7321.5 6297.66,7321.5 6300,7319.16 ; R24.2@6300,7294.5 6300,7319.16 ; v1(6610,7483) 6575,7448 6461.86,7448 6335.36,7321.5 6302.34,7321.5 6300,7319.16 ; v3(7376,7546) J1.h7@7400,7570
  INNER_SIGNAL_3 w4: v1(6610,7483) 6594.67,7467.67 6594.67,7464.36 6597.02,7462.02 6906.13,7462.02 6920.12,7476 7238.43,7476 7257.15,7457.28 7257.15,7442.22 7269.37,7430 7282.63,7430 7296,7443.37 7296,7458.43 7314.72,7477.15 7329.78,7477.15 7343.91,7491.28 7343.91,7507.37 7364.54,7528 7373.66,7528 7376,7530.34 v3(7376,7546)
DAC_D3_N: J1.g10 R29.1 U6.22 | length 1509.6
  SIGNAL_TOP w4: U6.22@6173.5,7213.9 6185.24,7213.9 6190.58,7208.56 6247.88,7208.56 6296.51,7257.18 6371.66,7257.18 6374,7259.52 ; R29.1@6374,7284.18 6374,7259.52 ; v1(6568.79,7399) 6531.97,7399 6531.97,7394.21 6394.94,7257.18 6376.34,7257.18 6374,7259.52
  SIGNAL_TOP w5: v1(7326,7396) J1.g10@7350,7420
  INNER_SIGNAL_3 w4: v1(6568.79,7399) 6583.79,7399 ccw(c6583.79,7406.5) 6591.29,7406.5 cw(c6598.79,7406.5) 6606.29,7406.5 ccw(c6613.79,7406.5) 6613.79,7399 6697.37,7399 6703.37,7393 ccw(c6703.37,7400.5) 6710.87,7400.5 cw(c6718.37,7400.5) 6725.87,7400.5 ccw(c6733.37,7400.5) 6733.37,7393 6822.63,7393 6830.63,7401 cw(c6830.63,7393.5) 6838.13,7393.5 ccw(c6845.63,7393.5) 6853.13,7393.5 cw(c6860.63,7393.5) 6860.63,7401 6875.63,7401 6886.18,7390.45 6893.36,7390.45 6909.81,7374 6914.81,7374 ccw(c6914.81,7381.5) 6922.31,7381.5 cw(c6929.81,7381.5) 6937.31,7381.5 ccw(c6944.81,7381.5) 6944.81,7374 7137.6,7374 7158.6,7353 7163.6,7353 ccw(c7163.6,7360.5) 7171.1,7360.5 cw(c7178.6,7360.5) 7186.1,7360.5 ccw(c7193.6,7360.5) 7193.6,7353 7233.63,7353 7254.63,7374 7279.63,7374 ccw(c7279.63,7381.5) 7287.13,7381.5 cw(c7294.63,7381.5) 7302.13,7381.5 ccw(c7309.63,7381.5) 7309.63,7374 7326.63,7374 7342,7389.37 7342,7404.66 7331.66,7415 7328.34,7415 7326,7412.66 v1(7326,7396)
DAC_D3_P: J1.g9 R29.2 U6.21 | length 1498.2
  SIGNAL_TOP w4: U6.21@6173.5,7194.21 6185.24,7194.21 6190.58,7199.56 6251.61,7199.56 6300.23,7248.18 6371.66,7248.18 6374,7245.84 ; R29.2@6374,7221.18 6374,7245.84 ; v1(6570,7370) 6520.48,7370 6398.66,7248.18 6376.34,7248.18 6374,7245.84
  SIGNAL_TOP w5: v1(7326,7446) J1.g9@7350,7470
  INNER_SIGNAL_3 w4: v1(6570,7370) 6571,7369 6586,7369 ccw(c6586,7376.5) 6593.5,7376.5 cw(c6601,7376.5) 6608.5,7376.5 ccw(c6616,7376.5) 6616,7369 6875.63,7369 6885.08,7378.45 6888.39,7378.45 6904.84,7362 6909.84,7362 cw(c6909.84,7354.5) 6917.34,7354.5 ccw(c6924.84,7354.5) 6932.34,7354.5 cw(c6939.84,7354.5) 6939.84,7362 7132.63,7362 7153.63,7341 7158.63,7341 cw(c7158.63,7333.5) 7166.13,7333.5 ccw(c7173.63,7333.5) 7181.13,7333.5 cw(c7188.63,7333.5) 7188.63,7341 7238.6,7341 7259.6,7362 7284.6,7362 cw(c7284.6,7354.5) 7292.1,7354.5 ccw(c7299.6,7354.5) 7307.1,7354.5 cw(c7314.6,7354.5) 7314.6,7362 7331.6,7362 7354,7384.4 7354,7409.63 7336.63,7427 7328.34,7427 7326,7429.34 v1(7326,7446)
DAC_D4_N: J1.h11 R31.1 U6.16 | length 1735.1
  SIGNAL_TOP w4: U6.16@6173.5,7095.79 6185.24,7095.79 6190.58,7090.44 6208.26,7090.44 6264.7,7034 6298.66,7034 6301,7036.34 ; R31.1@6311.34,7050.66 R31.1@6301,7061 6301,7036.34 ; v1(6384,7036) 6394.11,7025.89 6394.11,7022.58 6391.52,7020 6357.76,7020 6343.76,7034 6303.34,7034 6301,7036.34
  SIGNAL_TOP w5: v1(7376,7346) J1.h11@7400,7370
  INNER_SIGNAL_3 w4: v1(6384,7036) 6385.03,7037.03 6397.6,7037.03 6491.57,7131 6496.57,7131 ccw(c6496.57,7138.5) 6504.07,7138.5 cw(c6511.57,7138.5) 6519.07,7138.5 ccw(c6526.57,7138.5) 6526.57,7131 7040.5,7131 7041.5,7130 7086.5,7130 ccw(c7086.5,7137.5) 7094,7137.5 cw(c7101.5,7137.5) 7109,7137.5 ccw(c7116.5,7137.5) 7116.5,7130 7215.37,7130 7216.37,7129 7229.63,7129 7230.63,7130 7235.63,7130 ccw(c7235.63,7137.5) 7243.13,7137.5 cw(c7250.63,7137.5) 7258.13,7137.5 ccw(c7265.63,7137.5) 7265.63,7130 7382.63,7130 7392,7139.37 7392,7154.37 ccw(c7384.5,7154.37) 7384.5,7161.87 cw(c7384.5,7169.37) 7384.5,7176.87 ccw(c7384.5,7184.37) 7392,7184.37 7392,7302.63 7391,7303.63 7391,7308.63 ccw(c7383.5,7308.63) 7383.5,7316.13 cw(c7383.5,7323.63) 7383.5,7331.13 ccw(c7383.5,7338.63) 7391,7338.63 7391,7354.66 7381.66,7364 7378.34,7364 7376,7361.66 v1(7376,7346)
DAC_D4_P: J1.h10 R31.2 U6.15 | length 1730
  SIGNAL_TOP w4: U6.15@6173.5,7076.1 6185.24,7076.1 6190.58,7081.44 6204.53,7081.44 6260.97,7025 6298.66,7025 6301,7022.66 ; R31.2@6301,6998 6301,7022.66 ; R31.2@6304.73,7001.73 R31.2@6310.5,7007.5 ; v1@6413.35,7015 v1(6417.68,7015) 6414.62,7018.06 6402.31,7018.06 6395.25,7011 6354.03,7011 6340.03,7025 6303.34,7025 6301,7022.66
  SIGNAL_TOP w5: v1(7376,7396) J1.h10@7400,7420
  INNER_SIGNAL_3 w4: v1(6417.68,7015) 6416.1,7016.58 6416.1,7028.66 6499.44,7112 7032.63,7112 7033.63,7111 7038.63,7111 cw(c7038.63,7103.5) 7046.13,7103.5 ccw(c7053.63,7103.5) 7061.13,7103.5 cw(c7068.63,7103.5) 7068.63,7111 7218.37,7111 7219.37,7112 7237.48,7112 7238.49,7110.99 7260.26,7110.99 7261.27,7112 7391.5,7112 7411,7131.5 cw(c7423.5,7131.5) 7417.12,7142.25 ; v1(7376,7396) 7376,7380.34 7378.34,7378 7387.46,7378 7410,7355.46 7410,7311.5 7411,7310.5 7411,7266.5 ccw(c7418.5,7266.5) 7418.5,7259 cw(c7418.5,7251.5) 7418.5,7244 ccw(c7418.5,7236.5) 7411,7236.5 7411,7203.63 7410,7202.63 7410,7189.37 7416.07,7183.3 7416.07,7142.25
DAC_D5_N: J1.f12 R35.1 U6.14 | length 1436.3
  SIGNAL_TOP w4: U6.14@6173.5,7056.42 6185.24,7056.42 6190.58,7051.07 6209.98,7051.07 6302.06,6959 6372.66,6959 6375,6961.34 ; R35.1@6384,6977 R35.1@6375,6986 6375,6961.34 ; v1(6647,7304) 6647,7299.67 6642.53,7295.2 6642.53,7293.84 6640.19,7291.5 6634.14,7291.5 6508.72,7166.07 6508.72,7069.45 6398.27,6959 6377.34,6959 6375,6961.34
  SIGNAL_TOP w5: v1(7276,7296) J1.f12@7300,7320
  INNER_SIGNAL_3 w4: v1(6647,7304) 6649.84,7304 6657.34,7296.5 6960.12,7296.5 6975.62,7281 7018.37,7281 7019.37,7280 7032.63,7280 7033.63,7281 7168.37,7281 7169.37,7280 7260,7280 v1(7276,7296)
DAC_D5_P: J1.f11 R35.2 U6.13 | length 1525.8
  SIGNAL_TOP w4: U6.13@6173.5,7036.73 6185.24,7036.73 6190.58,7042.07 6206.25,7042.07 6298.33,6950 6372.66,6950 6375,6947.66 ; R35.2@6384,6932 R35.2@6375,6923 6375,6947.66 ; v1(6648,7270) 6648,7274.33 6643.53,7278.8 6643.53,7280.16 6641.19,7282.5 6637.87,7282.5 6517.72,7162.35 6517.72,7065.72 6402,6950 6377.34,6950 6375,6947.66
  SIGNAL_TOP w5: v1(7276,7346) J1.f11@7300,7370
  INNER_SIGNAL_3 w4: v1(6648,7270) 6650.84,7270 6658.34,7277.5 6952.25,7277.5 6967.75,7262 7270.43,7262 7296,7287.57 7296,7324.08 7276,7344.08 v1(7276,7346)
DAC_D6_N: J1.e11 R39.1 U6.12 | length 1681.7
  SIGNAL_TOP w4: U6.12@6144.96,7008.19 6144.96,6996.46 6139.62,6991.11 6139.62,6986.03 6169.95,6955.7 6174.95,6955.7 ccw(c6174.95,6963.2) 6182.45,6963.2 cw(c6189.95,6963.2) 6197.45,6963.2 ccw(c6204.95,6963.2) 6204.95,6955.7 6226.47,6955.7 6260.98,6921.19 6260.98,6917 6291.98,6886 6300.59,6886 6302.93,6888.34 R39.1@6302.93,6913 6315.93,6900 6315.93,6896.5 6316.93,6895.5 6316.93,6890.84 6319.27,6888.5 6378.44,6888.5 6577.79,7087.84 6577.79,7168.21 6664,7254.43 6664,7294.94 6781.4,7412.34 6781.4,7423.6 v1(6779,7426)
  SIGNAL_TOP w5: v1(7227,7369) 7227.5,7369.5 7249.5,7369.5 J1.e11@7250,7370
  INNER_SIGNAL_3 w4: v1(6779,7426) 6780.09,7427.09 6792.53,7427.09 6795,7429.56 6795,7430.8 6803.2,7439 6918.2,7439 ccw(c6918.2,7446.5) 6925.7,7446.5 cw(c6933.2,7446.5) 6940.7,7446.5 ccw(c6948.2,7446.5) 6948.2,7439 7010.37,7439 7019.37,7430 7034.37,7430 ccw(c7034.37,7437.5) 7041.87,7437.5 cw(c7049.37,7437.5) 7056.87,7437.5 ccw(c7064.37,7437.5) 7064.37,7430 7234.43,7430 7256,7408.43 7256,7386.69 7245.46,7376.14 7237.99,7376.14 7230.84,7369 v1(7227,7369)
DAC_D6_P: J1.e10 R39.2 U6.11 | length 1645.1
  SIGNAL_TOP w4: U6.11@6125.28,7008.19 6125.28,6996.46 6130.62,6991.11 6130.62,6982.3 6166.22,6946.7 6171.22,6946.7 cw(c6171.22,6939.2) 6178.72,6939.2 ccw(c6186.22,6939.2) 6193.72,6939.2 cw(c6201.22,6939.2) 6201.22,6946.7 6222.74,6946.7 6251.98,6917.46 6251.98,6913.27 6288.26,6877 6300.59,6877 6302.93,6874.66 R39.2@6302.93,6850 6315.93,6863 6315.93,6866.5 6316.93,6867.5 6316.93,6872.16 6319.27,6874.5 6384.24,6874.5 6591.79,7082.04 6591.79,7162.41 6678,7248.63 6678,7289.15 6797.34,7408.49 6810.49,7408.49 v1(6811,7409)
  SIGNAL_TOP w5: v1(7226,7396) J1.e10@7250,7420
  INNER_SIGNAL_3 w4: v1(6811,7409) 6807.94,7412.06 6807.94,7419.3 6807.89,7419.34 6807.89,7422.66 6809,7423.76 6809,7425 6814,7425 cw(c6814,7417.5) 6821.5,7417.5 ccw(c6829,7417.5) 6836.5,7417.5 cw(c6844,7417.5) 6844,7425 7004.57,7425 7013.57,7416 7026,7416 cw(c7026,7415.93) 7026.07,7415.93 7026.15,7416 7228.63,7416 7242,7402.63 7242,7392.49 7239.66,7390.14 7236.19,7390.14 7230.33,7396 v1(7226,7396)
DAC_D7_N: J1.h14 R44.1 U6.10 | length 1738.7
  SIGNAL_TOP w4: U6.10@6105.59,7008.19 6105.59,6996.46 6100.25,6991.11 6100.25,6986.03 6201.78,6884.5 6217.66,6884.5 6219.52,6886.36 ; 6220,6886.84 R44.1@6220,6911.5 ; 6221.38,6884.5 6222.56,6883.33 6244.56,6883.33 6268.12,6859.77 6268.12,6846.87 6286.48,6828.5 6349.56,6828.5 6638,7116.94 6638,7121.94 ccw(c6630.5,7121.94) 6630.5,7129.44 cw(c6630.5,7136.94) 6630.5,7144.44 ccw(c6630.5,7151.94) 6638,7151.94 6638,7168.83 6635.66,7171.18 6623.18,7171.18 v1(6622,7170)
  SIGNAL_TOP w5: v1(7376,7196) J1.h14@7400,7220
  INNER_SIGNAL_3 w4: v1(6622,7170) 6622.59,7170.59 6635.66,7170.59 6644.25,7162 6649.25,7162 cw(c6649.25,7154.5) 6656.75,7154.5 ccw(c6664.25,7154.5) 6671.75,7154.5 cw(c6679.25,7154.5) 6679.25,7162 6990.37,7162 6998.37,7170 7013.37,7170 cw(c7013.37,7162.5) 7020.87,7162.5 ccw(c7028.37,7162.5) 7035.87,7162.5 cw(c7043.37,7162.5) 7043.37,7170 7336.77,7170 7355.88,7189.11 7355.88,7201.54 7370.34,7216 7373.66,7216 7376,7213.66 v1(7376,7196)
DAC_D7_P: J1.h13 R44.2 U6.9 | length 1780.6
  SIGNAL_TOP w4: U6.9@6085.91,7008.19 6085.91,6996.46 6091.25,6991.11 6091.25,6982.3 6198.05,6875.5 6217.66,6875.5 6220,6873.16 ; R44.2@6220,6848.5 6220,6873.16 ; v1(6650,7188) 6650,7183.67 6645.22,7178.89 6645.22,7174.34 6647,7172.56 6647,7148.22 ccw(c6654.5,7148.22) 6654.5,7140.72 cw(c6654.5,7133.22) 6654.5,7125.72 ccw(c6654.5,7118.22) 6647,7118.22 6647,7113.22 6353.28,6819.5 6317.76,6819.5 ccw(c6317.76,6812) 6310.26,6812 cw(c6302.76,6812) 6295.26,6812 ccw(c6287.76,6812) 6287.76,6819.5 6282.76,6819.5 6259.12,6843.14 6259.12,6856.04 6240.83,6874.33 6221.17,6874.33 6220,6873.16
  SIGNAL_TOP w5: v1(7376,7246) J1.h13@7400,7270
  INNER_SIGNAL_3 w4: v1(6650,7188) 6646.94,7184.94 6646.94,7178.55 6646.05,7177.66 6646.05,7174.34 6648.39,7172 6653.39,7172 ccw(c6653.39,7179.5) 6660.89,7179.5 cw(c6668.39,7179.5) 6675.89,7179.5 ccw(c6683.39,7179.5) 6683.39,7172 6986.23,7172 6994.23,7180 6999.23,7180 ccw(c6999.23,7187.5) 7006.73,7187.5 cw(c7014.23,7187.5) 7021.73,7187.5 ccw(c7029.23,7187.5) 7029.23,7180 7332.63,7180 7345.88,7193.25 7345.88,7205.68 7366.2,7226 7373.66,7226 7376,7228.34 v1(7376,7246)
DAC_DCI_N: J1.g3 R46.1 U6.18 | length 1794.4
  SIGNAL_TOP w4: U6.18@6173.5,7135.16 6185.24,7135.16 6190.58,7129.81 6215.58,7129.81 ccw(c6215.58,7137.31) 6223.08,7137.31 cw(c6230.58,7137.31) 6238.08,7137.31 ccw(c6245.58,7137.31) 6245.58,7129.81 6262.65,7129.81 6284.31,7108.16 6289.31,7108.16 ccw(c6289.31,7115.66) 6296.81,7115.66 cw(c6304.31,7115.66) 6311.81,7115.66 ccw(c6319.31,7115.66) 6319.31,7108.16 6372.66,7108.16 6375,7110.5 ; R46.1@6375,7135.16 6375,7110.5 ; v1(6649,7688) 6650.02,7686.98 6626,7662.97 6626,7338.47 6395.55,7108.01 6377.49,7108.01 6375,7110.5
  SIGNAL_TOP w5: v1(7326,7746) J1.g3@7350,7770
  INNER_SIGNAL_3 w4: v1(6649,7688) 6652.06,7684.94 6660.17,7684.94 6661.38,7683.74 6664.69,7683.74 6669.95,7689 6950.06,7689 6959.06,7680 7232.63,7680 7274.59,7721.97 7324.59,7721.97 7342,7739.37 7342,7755.67 7331.66,7766.02 7328.34,7766.02 7326,7763.67 v1(7326,7746)
DAC_DCI_P: J1.g2 R46.2 U6.17 | length 1844
  SIGNAL_TOP w4: U6.17@6173.5,7115.47 6185.24,7115.47 6190.58,7120.81 6195.58,7120.81 cw(c6195.58,7113.31) 6203.08,7113.31 ccw(c6210.58,7113.31) 6218.08,7113.31 cw(c6225.58,7113.31) 6225.58,7120.81 6258.92,7120.81 6280.58,7099.16 6285.58,7099.16 cw(c6285.58,7091.66) 6293.08,7091.66 ccw(c6300.58,7091.66) 6308.08,7091.66 cw(c6315.58,7091.66) 6315.58,7099.16 6372.66,7099.16 6375,7096.81 R46.2@6375,7072.16 R46.2@6388,7085.16 ; 6375.29,7096.52 6377.78,7099.01 6399.27,7099.01 6640,7339.74 6640,7643 6660.03,7663.03 v1(6678.03,7663.03)
  SIGNAL_TOP w5: v1(7326,7796) J1.g2@7350,7820
  INNER_SIGNAL_3 w4: v1(6678.03,7663.03) 6678.03,7667.08 6671.74,7673.38 6671.74,7676.69 6674.08,7679.03 6945.93,7679.03 6954.93,7670.03 7236.76,7670.03 7278.72,7712 7328.72,7712 7351.97,7735.24 7351.97,7759.8 7335.79,7775.98 7328.34,7775.98 7326,7778.33 v1(7326,7796)
DAC_FRAME_N: J1.g13 R47.1 U6.20 | length 1446.8
  SIGNAL_TOP w4: U6.20@6173.5,7174.53 6185.24,7174.53 6190.58,7169.19 6195.58,7169.19 ccw(c6195.58,7176.69) 6203.08,7176.69 cw(c6210.58,7176.69) 6218.08,7176.69 ccw(c6225.58,7176.69) 6225.58,7169.19 6230.62,7169.19 6244.43,7183 6254.43,7183 ccw(c6254.43,7190.5) 6261.93,7190.5 cw(c6269.43,7190.5) 6276.93,7190.5 ccw(c6284.43,7190.5) 6284.43,7183 6297.66,7183 6300,7185.34 ; R47.1@6313,7197 R47.1@6300,7210 6300,7185.34 ; v1(6590,7346) 6589.52,7345.52 6576.34,7345.52 6571.86,7350 6540.77,7350 6373.77,7183 6302.34,7183 6300,7185.34
  SIGNAL_TOP w5: v1(7326,7246) J1.g13@7350,7270
  INNER_SIGNAL_3 w4: v1(6590,7346) 6592.01,7343.99 6592.01,7263.19 6625.2,7230 7310,7230 v1(7326,7246)
DAC_FRAME_P: J1.g12 R47.2 U6.19 | length 1532.9
  SIGNAL_TOP w4: U6.19@6173.5,7154.84 6185.24,7154.84 6190.58,7160.19 6195.58,7160.19 cw(c6195.58,7152.69) 6203.08,7152.69 ccw(c6210.58,7152.69) 6218.08,7152.69 cw(c6225.58,7152.69) 6225.58,7160.19 6234.34,7160.19 6248.16,7174 6253.16,7174 cw(c6253.16,7166.5) 6260.66,7166.5 ccw(c6268.16,7166.5) 6275.66,7166.5 cw(c6283.16,7166.5) 6283.16,7174 6297.66,7174 6300,7171.66 ; R47.2@6313,7160 R47.2@6300,7147 6300,7171.66 ; v1(6570,7325) 6570.48,7325.48 6570.48,7338.66 6568.14,7341 6544.49,7341 6377.49,7174 6302.34,7174 6300,7171.66
  SIGNAL_TOP w5: v1(7326,7296) J1.g12@7350,7320
  INNER_SIGNAL_3 w4: v1(6570,7325) 6572.01,7322.99 6572.01,7256.32 6612.33,7216 7320,7216 7343,7239 7343,7279 v1(7326,7296)
DAC_RAIL_I_N: R27.2 R32.1 U6.46 | length 547.3
  SIGNAL_TOP w5: R27.2@5452.5,7220 5474,7220 5476.5,7222.5 R32.1@5500,7222.5 5511.67,7222.5 5632.17,7102 5687.17,7102 ccw(c5687.17,7109.5) 5694.67,7109.5 cw(c5702.17,7109.5) 5709.67,7109.5 ccw(c5717.17,7109.5) 5717.17,7102 5775.35,7102 5806.09,7071.26 5826.09,7071.26 ccw(c5826.09,7078.76) 5833.59,7078.76 cw(c5841.09,7078.76) 5848.59,7078.76 ccw(c5856.09,7078.76) 5856.09,7071.26 5882.72,7071.26 5887.56,7076.1 U6.46@5899.88,7076.1